# Altium PCB S7CAS-PLEIADES-CARTE-MERE_Pxx.PcbDoc (part 1 of 8) (continued)
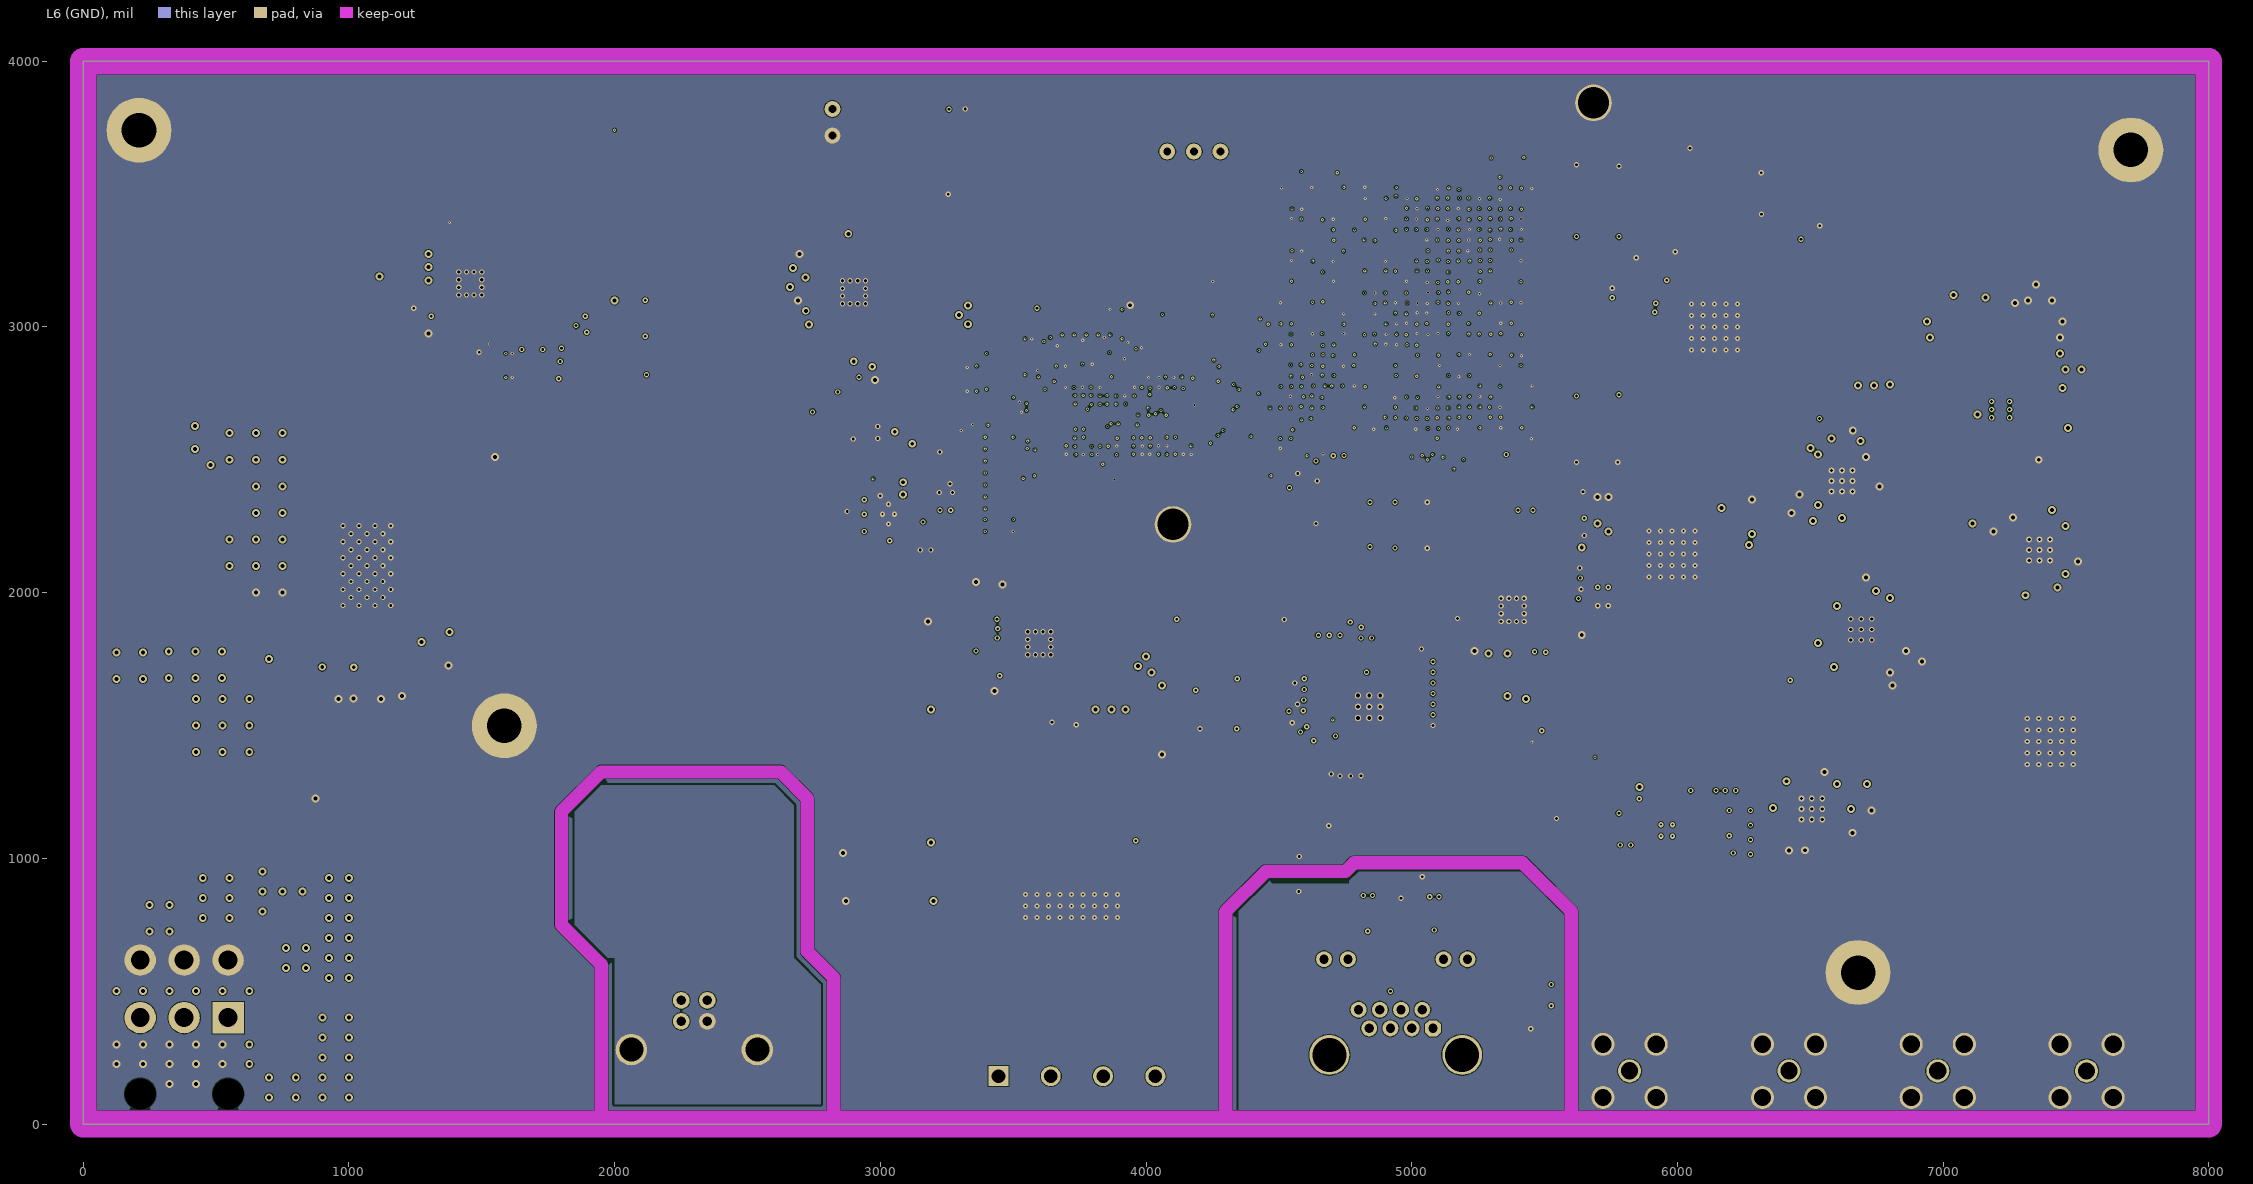
[diagram p5: L6 (GND)]
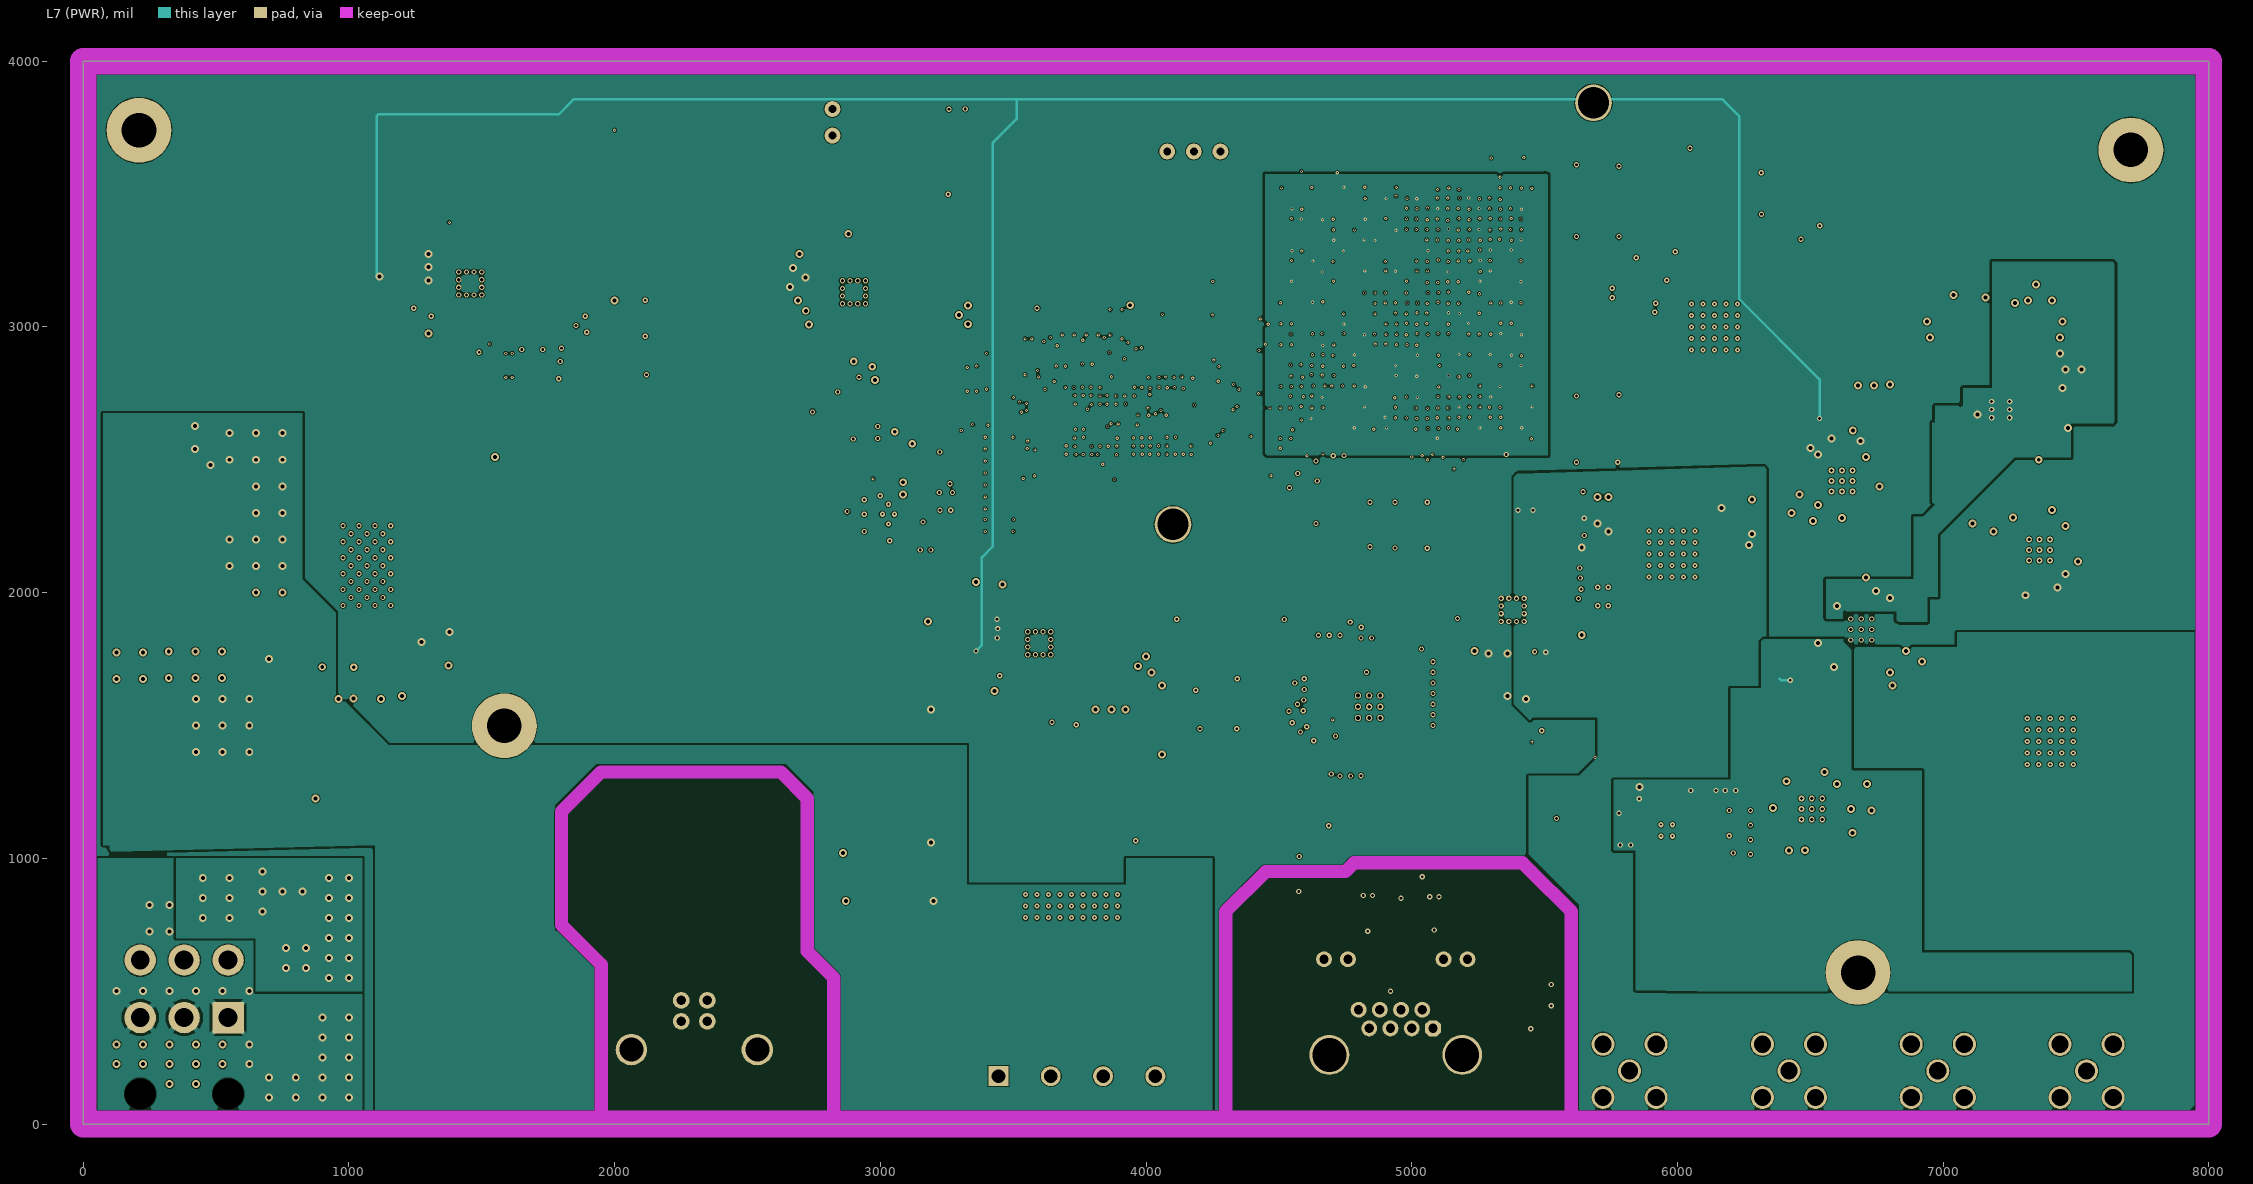
[diagram p6: L7 (PWR)]
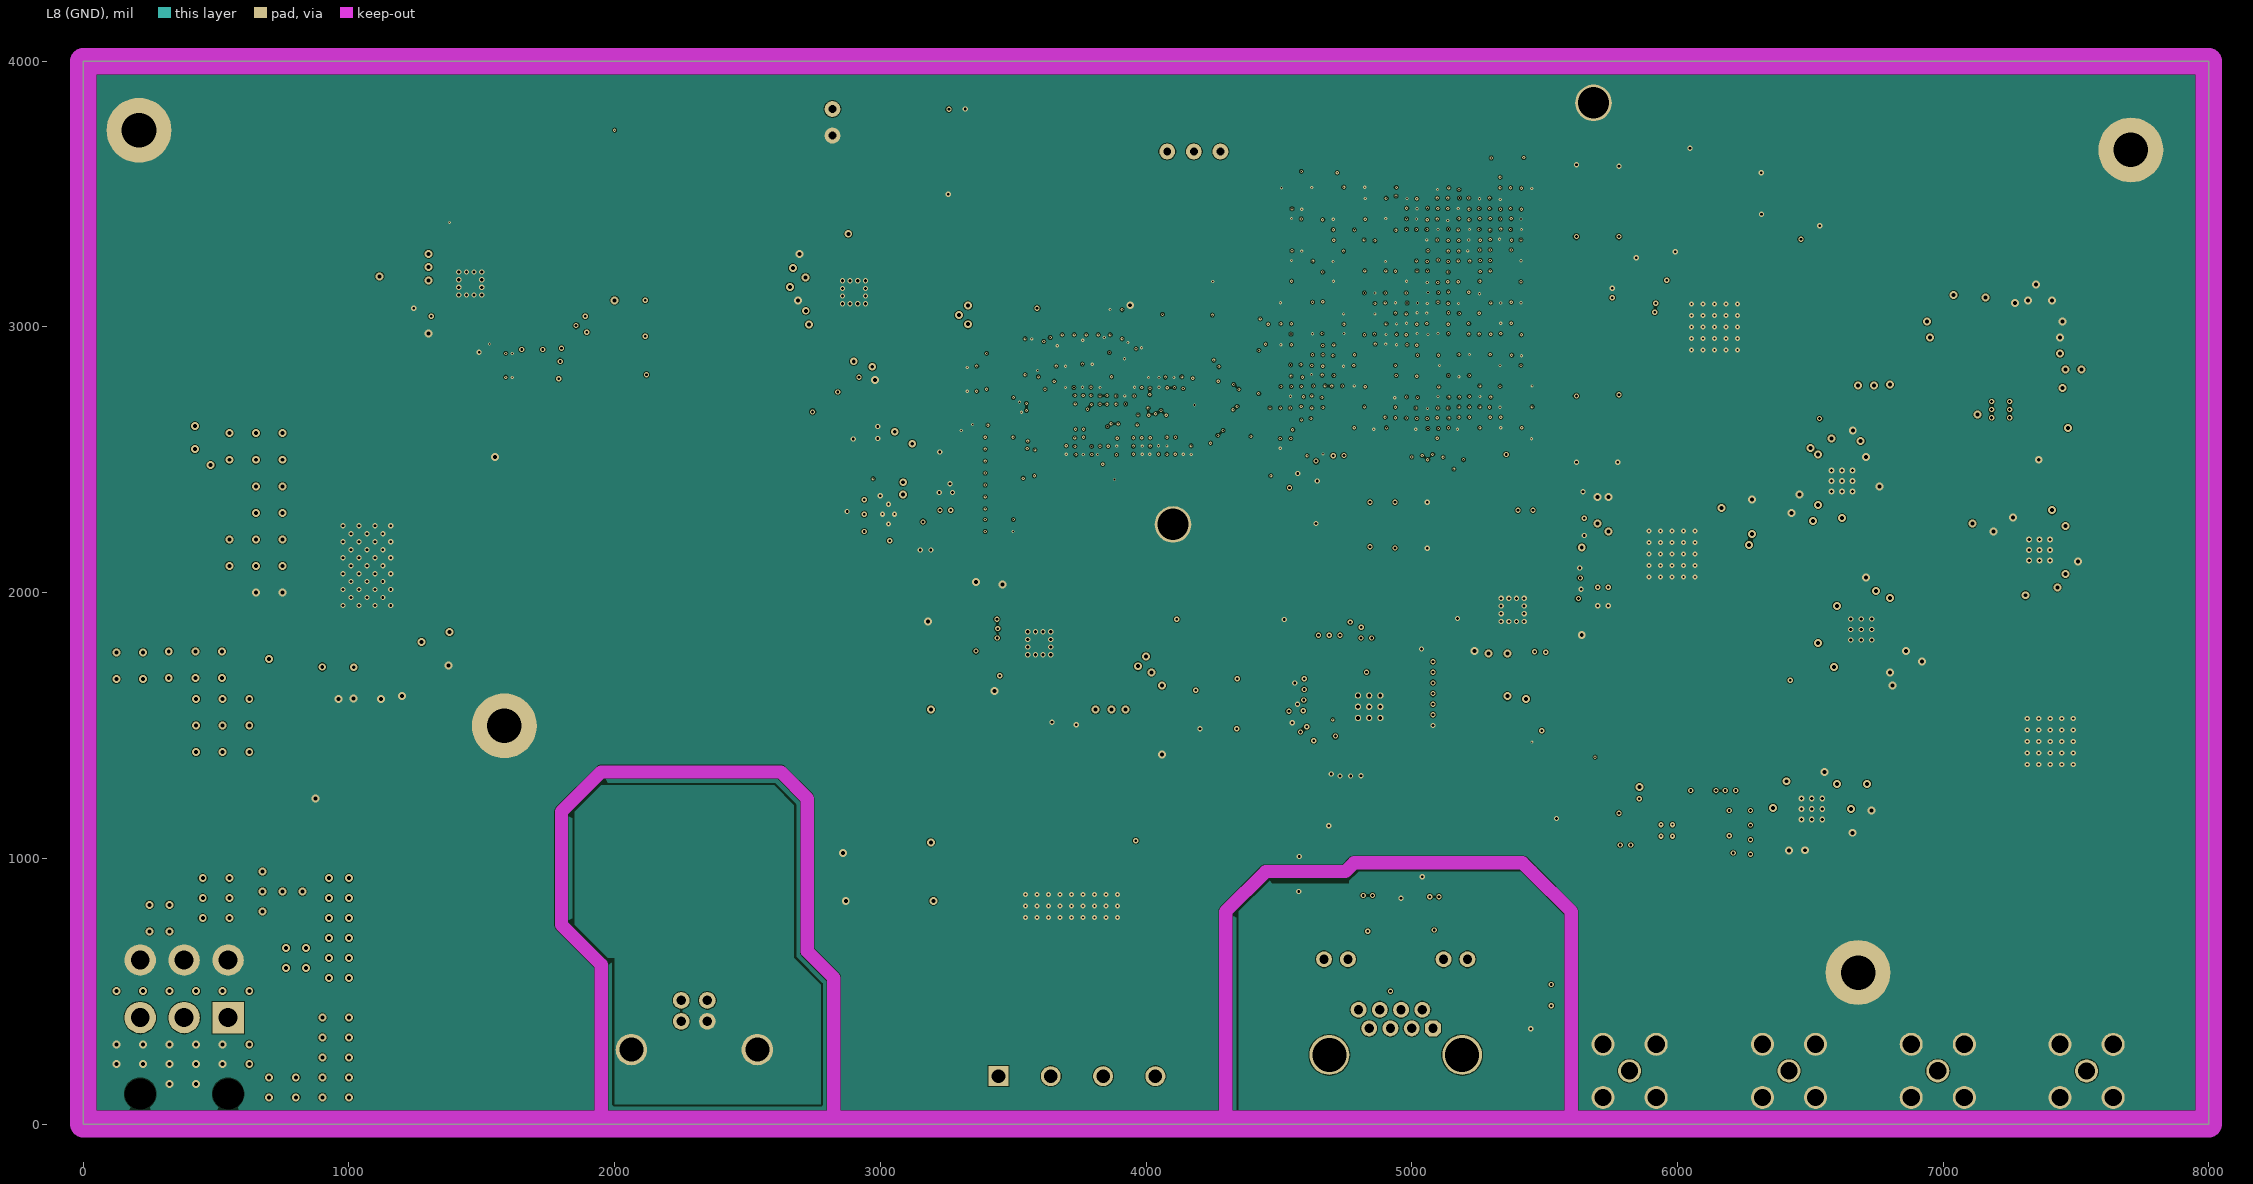
[diagram p7: L8 (GND)]
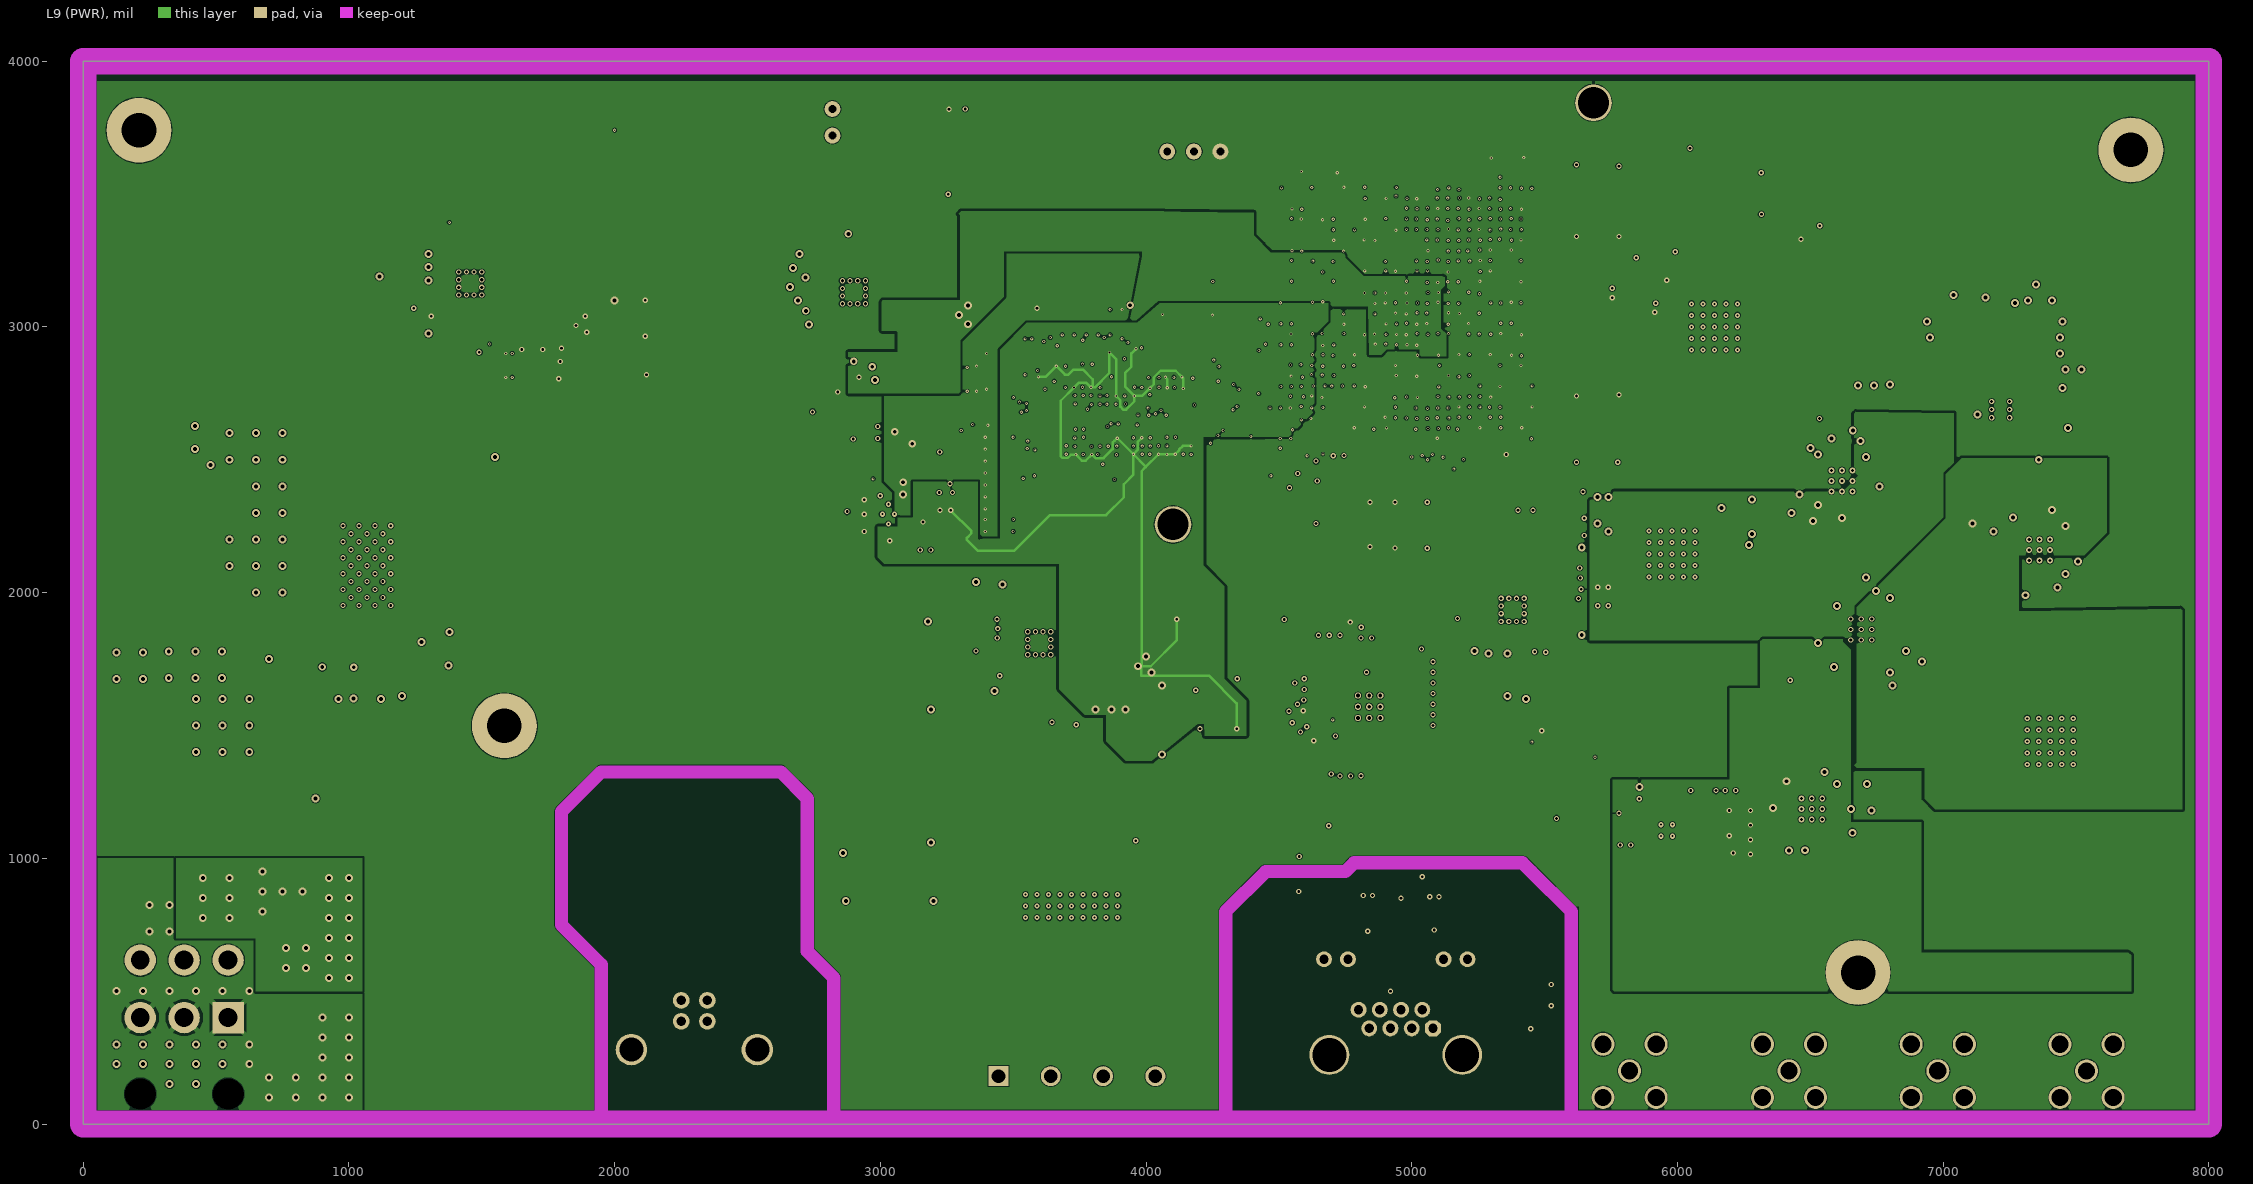
[diagram p8: L9 (PWR)]
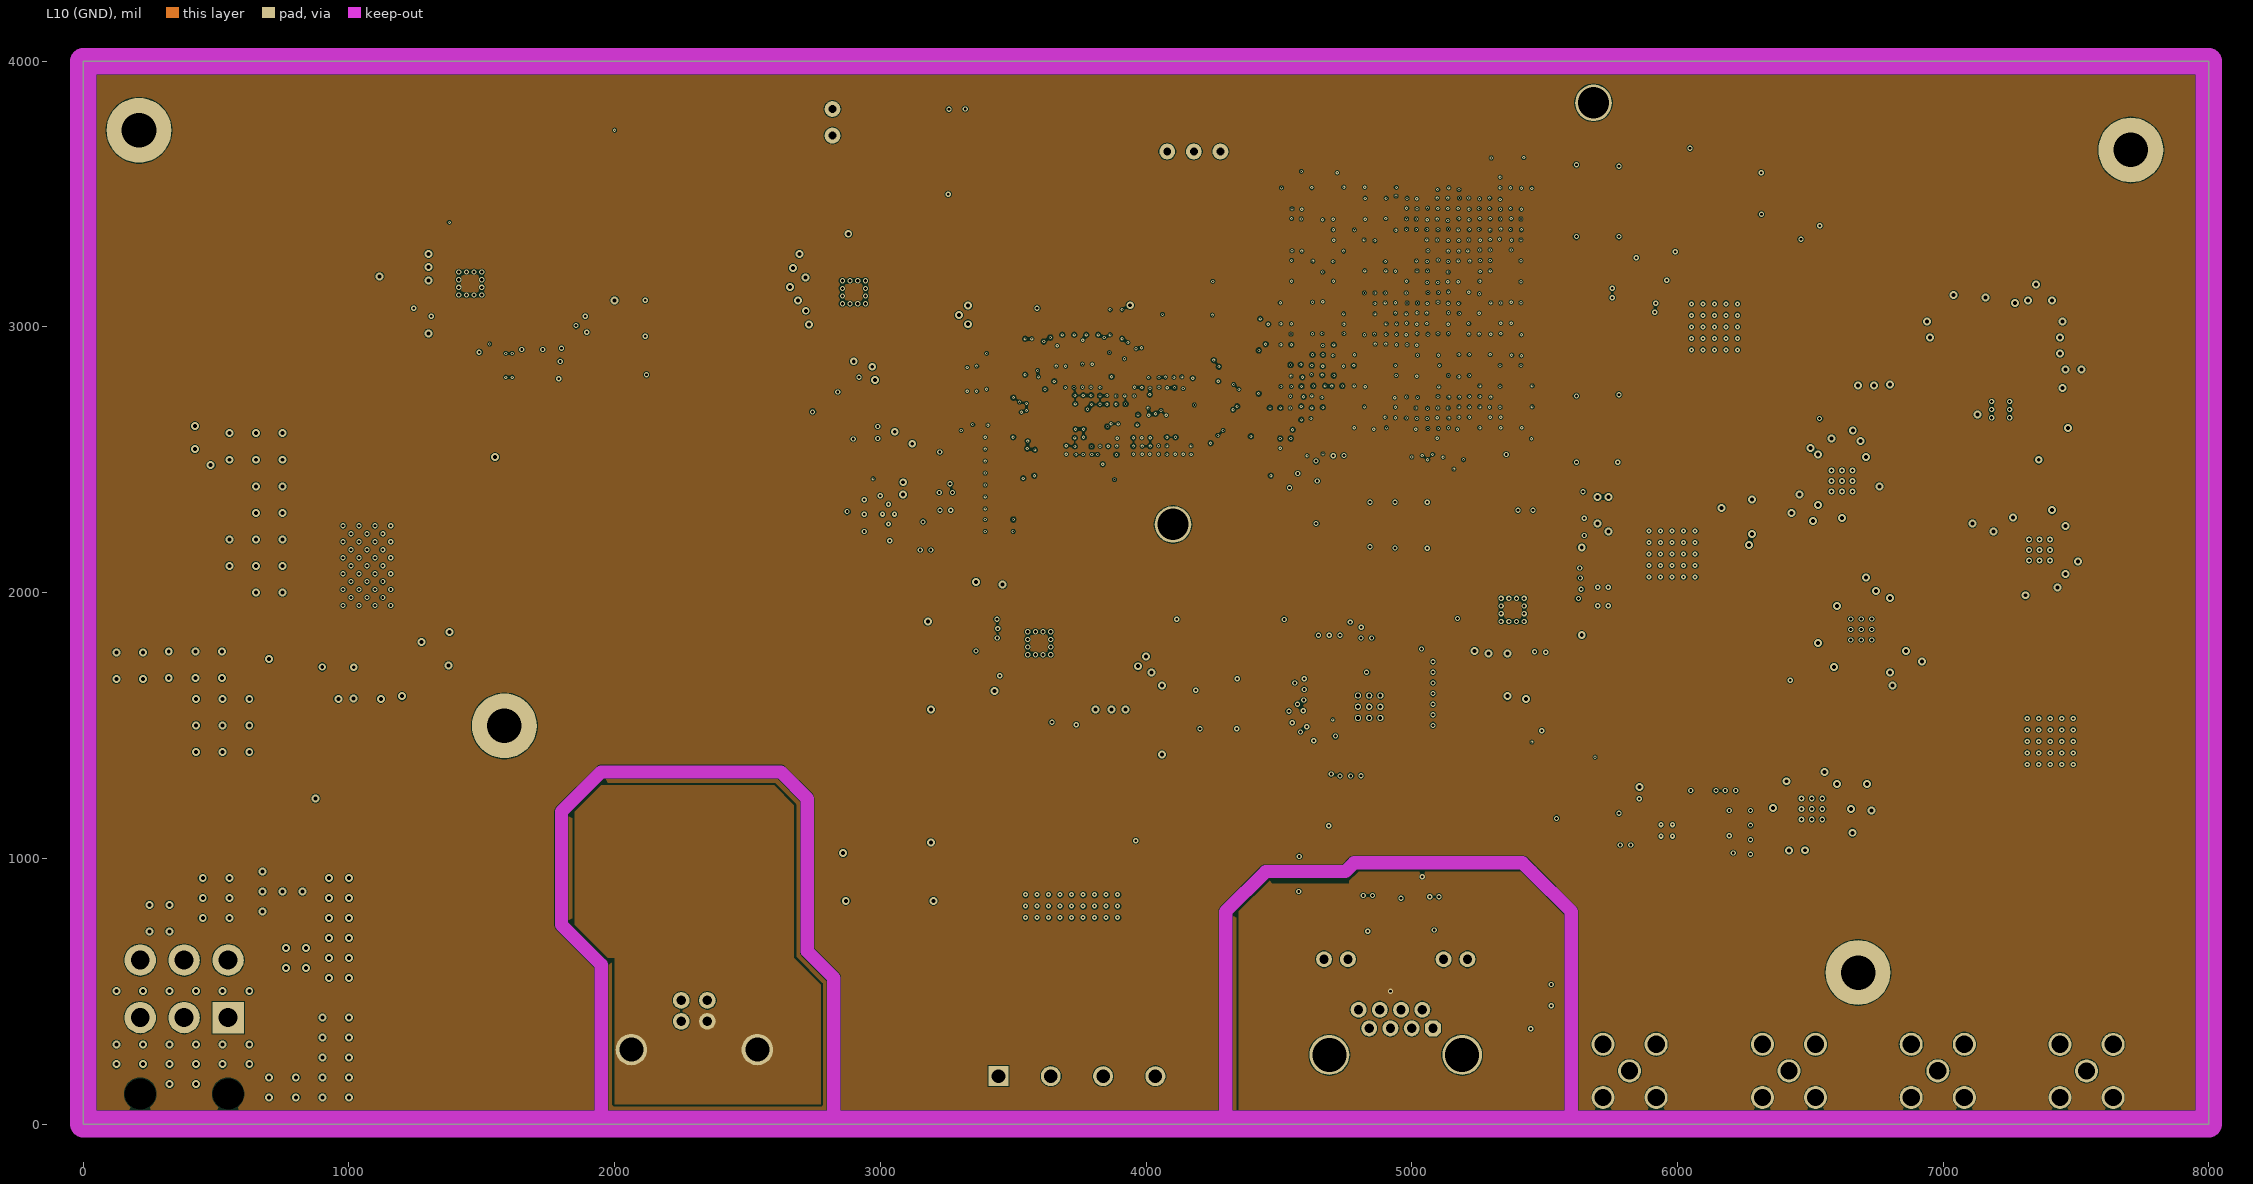
[diagram p9: L10 (GND)]